# KiCad board eurocard mux.kicad_pcb (continued)
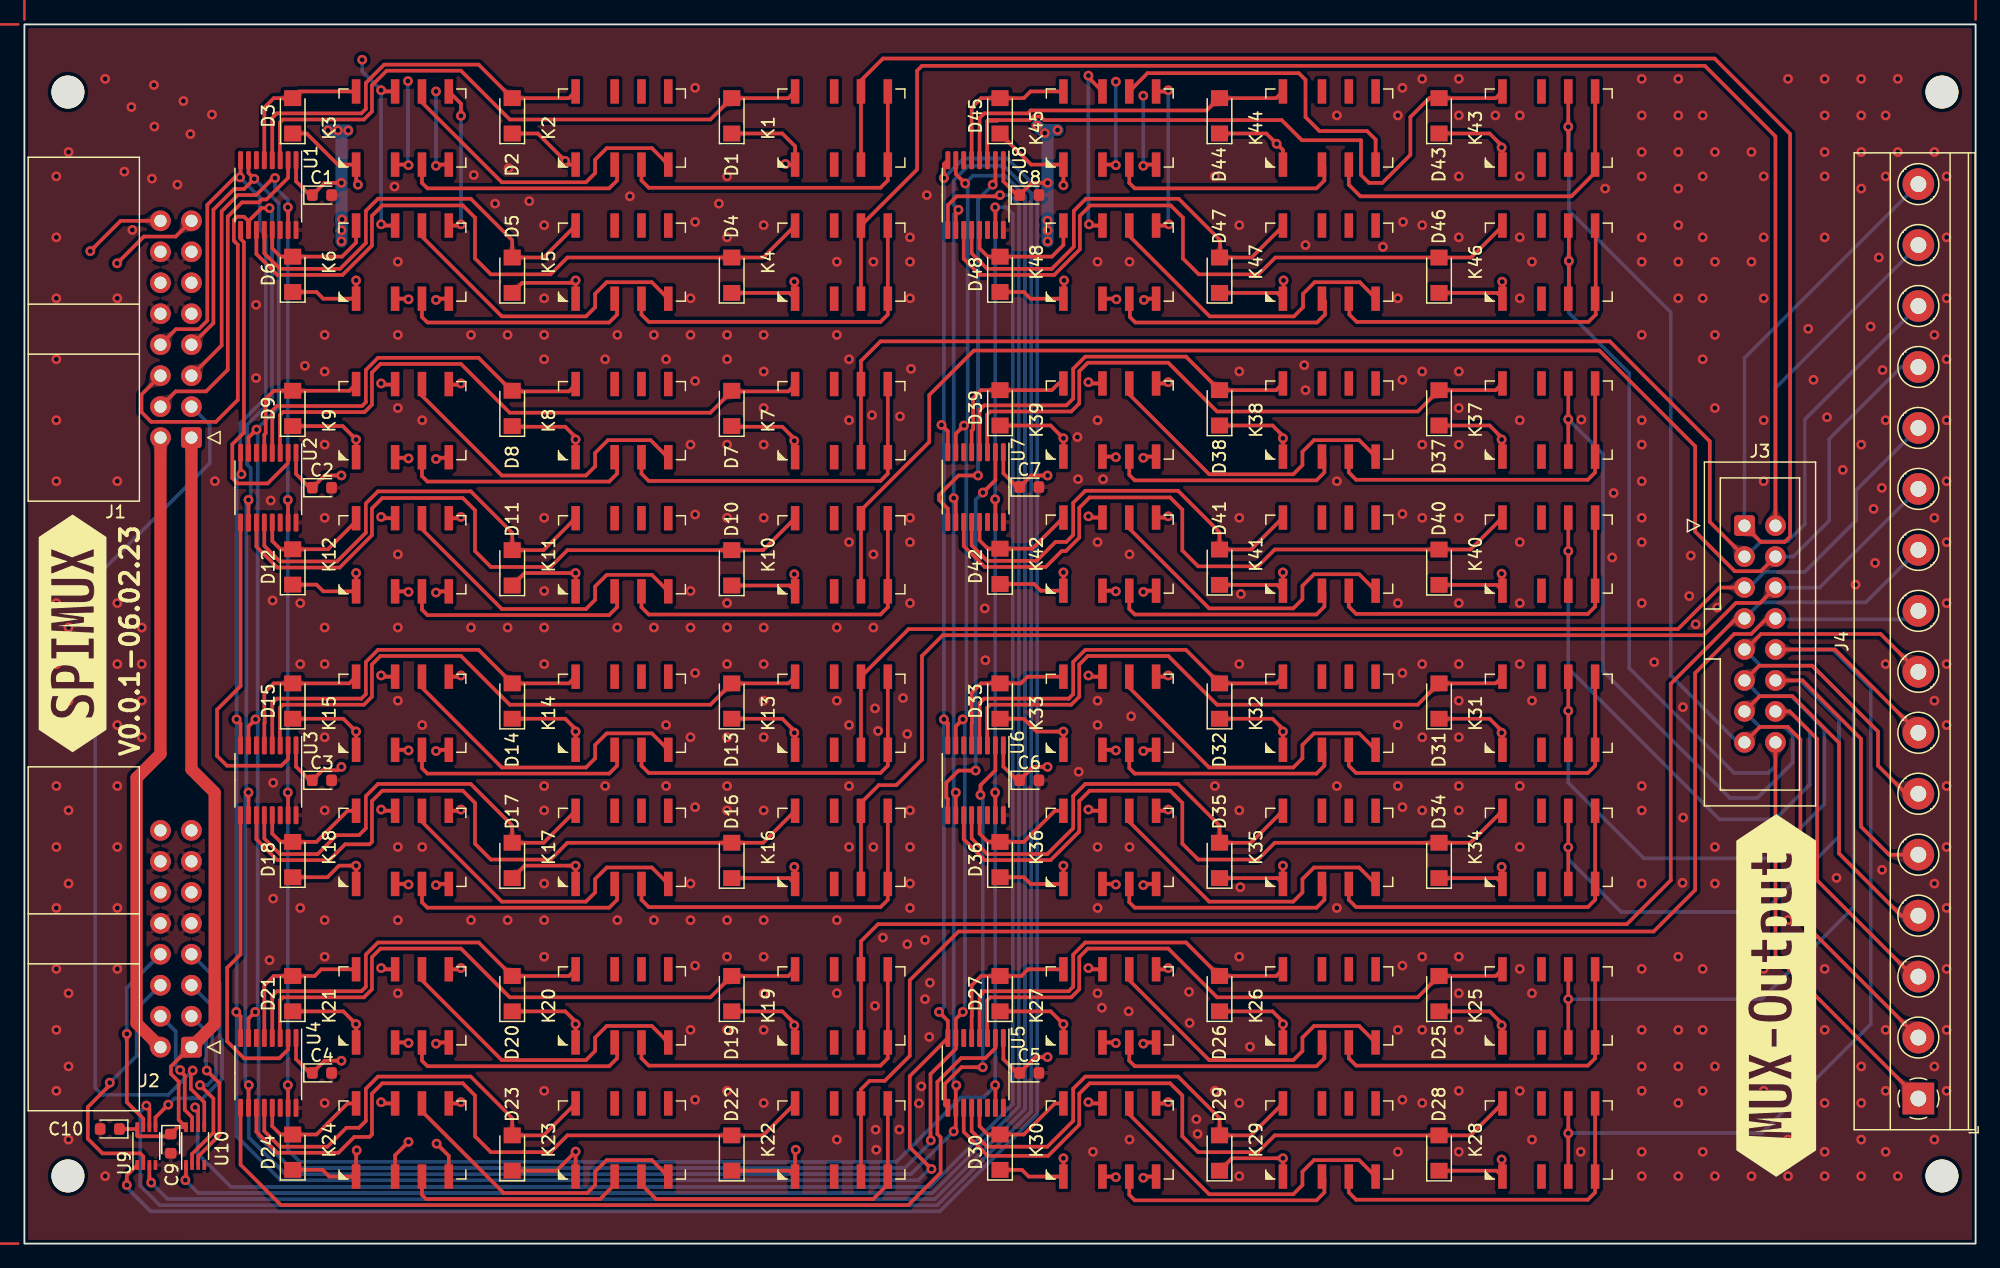
[diagram p0: board, top side]
## Copper pours and planes (outline as drawn; the poured copper is in the pictures) (continued)
/Relay_group8/Relays1/on/off on Top: 117.29,94.1 117.14,94.11 117.02,94.13 116.91,94.15 116.82,94.19 116.74,94.24 116.67,94.29 116.59,94.35 116.5,94.41 116.4,94.47 116.28,94.53 115.68,93.95 116.28,93.37 116.4,93.43 116.5,93.49 116.59,93.55 116.67,93.61 116.74,93.66 116.82,93.71 116.91,93.75 117.02,93.77 117.14,93.79 117.29,93.8
/Relay_group8/Relays1/on/off on Top: 114.95,93.49 115.03,93.56 115.11,93.6 115.18,93.61 115.25,93.61 115.32,93.59 115.4,93.55 115.47,93.51 115.55,93.46 115.63,93.41 115.72,93.37 116.32,93.95 115.54,94.41 115.45,94.32 115.37,94.25 115.29,94.18 115.09,94.02 115.02,93.96 114.94,93.89 114.85,93.81 114.74,93.7
/Relay_group8/Relays2/ai/pow on Top: 97.9,82.17 97.89,82.02 97.87,81.9 97.84,81.8 97.81,81.71 97.76,81.64 97.7,81.56 97.58,81.41 97.51,81.32 97.44,81.21 97.97,80.55 98.61,81.12 98.55,81.24 98.49,81.35 98.44,81.44 98.39,81.52 98.34,81.6 98.29,81.69 98.25,81.78 98.22,81.89 98.21,82.01 98.2,82.17
/Relay_group8/Relays2/ai/pow on Top: 99.3,81.03 99.15,81.04 99.02,81.05 98.92,81.08 98.83,81.12 98.75,81.17 98.67,81.22 98.59,81.28 98.5,81.34 98.4,81.4 98.28,81.46 97.68,80.88 98.28,80.29 98.4,80.36 98.5,80.42 98.59,80.48 98.67,80.54 98.75,80.59 98.83,80.64 98.92,80.67 99.02,80.7 99.15,80.72 99.3,80.73
/Relay_group8/Relays2/in/out on Top: 81.29,81.1 81.14,81.11 81.02,81.13 80.91,81.15 80.82,81.19 80.74,81.24 80.67,81.29 80.59,81.35 80.5,81.41 80.4,81.47 80.28,81.53 79.68,80.95 80.28,80.36 80.4,80.43 80.5,80.49 80.59,80.55 80.67,80.61 80.74,80.66 80.82,80.71 80.91,80.75 81.02,80.77 81.14,80.79 81.29,80.8
/Relay_group8/Relays2/in/out on Top: 78.68,81.06 78.79,80.96 78.88,80.89 78.97,80.83 79.05,80.79 79.21,80.72 79.28,80.68 79.36,80.64 79.45,80.57 79.54,80.49 80.32,80.95 79.72,81.53 79.62,81.48 79.53,81.41 79.37,81.28 79.29,81.23 79.22,81.18 79.14,81.16 79.06,81.16 78.98,81.2 78.89,81.27
analog_n on Top: 9.47,83.74 9.67,83.73 9.83,83.7 9.96,83.66 10.08,83.6 10.18,83.54 10.28,83.46 10.39,83.38 10.5,83.3 10.63,83.21 10.79,83.12 11.58,83.89 10.79,84.66 10.63,84.57 10.5,84.48 10.39,84.4 10.28,84.32 10.18,84.24 10.08,84.18 9.96,84.12 9.83,84.08 9.67,84.05 9.47,84.04
analog_n on In2.Cu: 9.76,84.88 9.9,84.72 10,84.58 10.08,84.45 10.13,84.32 10.17,84.2 10.23,83.94 10.27,83.8 10.33,83.65 10.41,83.48 11.5,83.64 11.3,84.73 11.13,84.75 10.98,84.76 10.84,84.76 10.71,84.76 10.59,84.77 10.48,84.78 10.36,84.82 10.24,84.88 10.11,84.97 9.97,85.09
analog_n on In2.Cu: 11.01,35.58 11,35.38 10.97,35.22 10.93,35.08 10.87,34.97 10.8,34.86 10.73,34.76 10.65,34.66 10.56,34.55 10.48,34.42 10.39,34.26 11.16,33.47 11.92,34.26 11.84,34.42 11.75,34.55 11.67,34.66 11.59,34.76 11.51,34.86 11.44,34.97 11.39,35.08 11.34,35.22 11.32,35.38 11.31,35.58
analog_p on Top: 12.61,82.59 12.76,82.72 12.89,82.82 13.02,82.88 13.14,82.93 13.26,82.95 13.38,82.97 13.51,82.98 13.65,83 13.81,83.04 13.98,83.09 14,84.19 12.89,84.17 12.84,84 12.81,83.84 12.79,83.7 12.78,83.57 12.76,83.45 12.73,83.33 12.69,83.21 12.63,83.08 12.53,82.95 12.4,82.8
analog_p on In2.Cu: 13.55,35.58 13.54,35.38 13.51,35.22 13.47,35.08 13.41,34.97 13.34,34.86 13.27,34.76 13.19,34.66 13.1,34.55 13.02,34.42 12.93,34.26 13.7,33.47 14.46,34.26 14.38,34.42 14.29,34.55 14.21,34.66 14.13,34.76 14.05,34.86 13.98,34.97 13.93,35.08 13.88,35.22 13.86,35.38 13.85,35.58
analog_p on In2.Cu: 12.4,84.98 12.53,84.83 12.63,84.7 12.69,84.57 12.73,84.45 12.76,84.33 12.78,84.21 12.79,84.08 12.81,83.94 12.84,83.78 12.89,83.61 14,83.59 13.98,84.69 13.81,84.74 13.65,84.78 13.51,84.8 13.38,84.81 13.26,84.83 13.14,84.85 13.02,84.9 12.89,84.96 12.76,85.06 12.61,85.19
CH_1 on Top: 142.35,57.8 142.22,57.95 142.12,58.08 142.05,58.21 142.01,58.33 141.99,58.45 141.97,58.57 141.95,58.7 141.93,58.84 141.9,59 141.85,59.17 140.75,59.19 140.77,58.09 140.94,58.04 141.09,58 141.23,57.98 141.36,57.97 141.49,57.95 141.61,57.93 141.73,57.88 141.85,57.82 141.99,57.72 142.14,57.59
CH_1 on Bottom: 140.9,60.58 140.89,60.38 140.86,60.22 140.82,60.08 140.76,59.97 140.69,59.86 140.62,59.76 140.54,59.66 140.45,59.55 140.37,59.42 140.28,59.26 141.05,58.47 141.81,59.26 141.73,59.42 141.64,59.55 141.56,59.66 141.48,59.76 141.4,59.86 141.33,59.97 141.28,60.08 141.23,60.22 141.21,60.38 141.2,60.58
CH_1 on Bottom: 153.58,84.96 153.81,85.17 154.02,85.31 154.22,85.41 154.41,85.46 154.6,85.49 154.79,85.51 155,85.52 155.22,85.55 155.46,85.59 155.73,85.67 155.76,87.36 154.08,87.33 154,87.06 153.95,86.82 153.93,86.59 153.92,86.39 153.9,86.2 153.87,86 153.81,85.81 153.72,85.61 153.57,85.4 153.37,85.17
CH_2 on Top: 143.44,60.58 143.43,60.38 143.4,60.22 143.36,60.08 143.3,59.97 143.23,59.86 143.16,59.76 143.08,59.66 142.99,59.55 142.91,59.42 142.82,59.26 143.59,58.47 144.35,59.26 144.27,59.42 144.18,59.55 144.1,59.66 144.02,59.76 143.94,59.86 143.87,59.97 143.82,60.08 143.77,60.22 143.75,60.38 143.74,60.58
CH_2 on Bottom: 153.58,79.96 153.81,80.17 154.02,80.31 154.22,80.41 154.41,80.46 154.6,80.49 154.79,80.51 155,80.52 155.22,80.55 155.46,80.59 155.73,80.67 155.76,82.36 154.08,82.33 154,82.06 153.95,81.82 153.93,81.59 153.92,81.39 153.9,81.2 153.87,81 153.81,80.81 153.72,80.61 153.57,80.4 153.37,80.17
CH_2 on Bottom: 143.44,60.58 143.43,60.38 143.4,60.22 143.36,60.08 143.3,59.97 143.23,59.86 143.16,59.76 143.08,59.66 142.99,59.55 142.91,59.42 142.82,59.26 143.59,58.47 144.35,59.26 144.27,59.42 144.18,59.55 144.1,59.66 144.02,59.76 143.94,59.86 143.87,59.97 143.82,60.08 143.77,60.22 143.75,60.38 143.74,60.58
CH_3 on Top: 139.75,57.44 139.88,57.29 139.98,57.16 140.04,57.03 140.08,56.91 140.11,56.79 140.13,56.67 140.14,56.54 140.16,56.4 140.19,56.24 140.24,56.07 141.35,56.05 141.33,57.15 141.16,57.2 141,57.24 140.86,57.26 140.73,57.27 140.61,57.29 140.49,57.31 140.37,57.36 140.24,57.42 140.11,57.52 139.96,57.65
CH_3 on Bottom: 142.2,57.61 142.05,57.48 141.92,57.38 141.8,57.32 141.68,57.28 141.56,57.26 141.43,57.25 141.3,57.24 141.16,57.23 141.01,57.21 140.84,57.17 140.72,56.08 141.82,56 141.89,56.18 141.94,56.33 141.97,56.47 141.99,56.6 142.02,56.73 142.05,56.85 142.1,56.97 142.17,57.1 142.27,57.24 142.41,57.4
CH_3 on Bottom: 153.57,74.96 153.8,75.17 154.02,75.31 154.21,75.41 154.41,75.46 154.6,75.49 154.79,75.51 155,75.52 155.22,75.55 155.46,75.59 155.73,75.67 155.77,77.36 154.08,77.33 154,77.06 153.95,76.82 153.93,76.6 153.91,76.39 153.9,76.2 153.87,76.01 153.81,75.81 153.71,75.62 153.57,75.4 153.36,75.17
CH_4 on Top: 142.38,55 142.56,55.01 142.7,55.05 142.82,55.11 142.92,55.18 143.02,55.25 143.1,55.32 143.2,55.39 143.31,55.45 143.43,55.49 143.59,55.5 143.89,56.65 142.78,56.63 142.74,56.45 142.73,56.27 142.74,56.09 142.76,55.91 142.77,55.75 142.77,55.6 142.74,55.48 142.67,55.38 142.56,55.32 142.38,55.3
CH_4 on Bottom: 153.16,70.95 153.32,71.09 153.48,71.17 153.63,71.21 153.78,71.2 153.92,71.17 154.07,71.1 154.22,71.02 154.38,70.93 154.55,70.83 154.74,70.73 155.96,71.9 154.39,72.82 154.2,72.63 154.05,72.46 153.92,72.3 153.81,72.16 153.59,71.88 153.47,71.73 153.33,71.57 153.16,71.38 152.95,71.16
CH_4 on Bottom: 145.11,56.62 144.99,56.52 144.87,56.48 144.76,56.49 144.66,56.54 144.55,56.61 144.45,56.71 144.34,56.82 144.23,56.93 144.1,57.03 143.96,57.11 143.16,56.35 144.19,55.75 144.31,55.85 144.42,55.93 144.53,55.98 144.63,56.02 144.74,56.06 144.84,56.1 144.95,56.14 145.07,56.2 145.19,56.29 145.32,56.41
CH_5 on Top: 139.36,53.66 139.56,53.65 139.72,53.62 139.85,53.58 139.97,53.52 140.07,53.46 140.17,53.38 140.28,53.3 140.39,53.22 140.52,53.13 140.68,53.05 141.47,53.81 140.68,54.58 140.52,54.49 140.39,54.4 140.28,54.32 140.17,54.24 140.07,54.16 139.97,54.1 139.85,54.04 139.72,54 139.56,53.97 139.36,53.96
CH_5 on Bottom: 153.58,64.96 153.81,65.17 154.02,65.31 154.22,65.41 154.41,65.46 154.6,65.49 154.79,65.51 155,65.52 155.22,65.55 155.46,65.59 155.73,65.67 155.76,67.36 154.08,67.33 154,67.06 153.95,66.82 153.93,66.59 153.92,66.39 153.9,66.2 153.87,66 153.81,65.81 153.72,65.61 153.57,65.4 153.37,65.17
CH_5 on Bottom: 142.3,54.91 142.17,54.79 142.05,54.71 141.93,54.66 141.82,54.63 141.7,54.62 141.59,54.62 141.46,54.63 141.33,54.65 141.18,54.66 141.02,54.66 140.67,53.61 141.73,53.3 141.84,53.46 141.92,53.61 141.98,53.75 142.02,53.88 142.07,54 142.11,54.13 142.17,54.26 142.25,54.39 142.36,54.54 142.51,54.7
CH_6 on Top: 142.5,52.51 142.65,52.64 142.78,52.74 142.91,52.8 143.03,52.85 143.15,52.87 143.27,52.89 143.4,52.9 143.54,52.92 143.7,52.96 143.87,53.01 143.89,54.11 142.78,54.09 142.73,53.92 142.7,53.76 142.68,53.62 142.67,53.49 142.65,53.37 142.62,53.25 142.58,53.13 142.52,53 142.42,52.87 142.29,52.72
CH_6 on Bottom: 153.58,59.96 153.81,60.17 154.02,60.31 154.22,60.41 154.41,60.46 154.6,60.49 154.79,60.51 155,60.52 155.22,60.55 155.46,60.59 155.73,60.67 155.76,62.36 154.08,62.33 154,62.06 153.95,61.82 153.93,61.59 153.92,61.39 153.9,61.2 153.87,61 153.81,60.81 153.72,60.61 153.57,60.4 153.37,60.17
CH_6 on Bottom: 145.28,53.96 145.08,53.97 144.92,54 144.78,54.04 144.66,54.1 144.56,54.16 144.46,54.24 144.36,54.32 144.25,54.4 144.12,54.49 143.96,54.58 143.16,53.81 143.96,53.05 144.12,53.13 144.25,53.22 144.36,53.3 144.46,53.38 144.56,53.46 144.66,53.52 144.78,53.58 144.92,53.62 145.08,53.65 145.28,53.66
CH_7 on Top: 139.72,50.41 139.83,50.51 139.93,50.58 140.04,50.62 140.14,50.63 140.24,50.63 140.34,50.61 140.45,50.58 140.68,50.49 140.82,50.45 141.47,51.34 140.45,51.87 140.32,51.73 140.22,51.61 140.13,51.49 140.06,51.38 139.93,51.16 139.86,51.05 139.77,50.92 139.65,50.78 139.5,50.63
CH_7 on Bottom: 153.58,54.96 153.81,55.17 154.02,55.31 154.22,55.41 154.41,55.46 154.6,55.49 154.79,55.51 155,55.52 155.22,55.55 155.46,55.59 155.73,55.67 155.76,57.36 154.08,57.33 154,57.06 153.95,56.82 153.93,56.59 153.92,56.39 153.9,56.2 153.87,56 153.81,55.81 153.72,55.61 153.57,55.4 153.37,55.17
CH_7 on Bottom: 142.14,52.57 141.99,52.44 141.85,52.34 141.73,52.28 141.61,52.23 141.49,52.21 141.36,52.19 141.23,52.18 141.09,52.16 140.94,52.12 140.77,52.07 140.75,50.97 141.85,50.99 141.9,51.16 141.93,51.32 141.95,51.46 141.97,51.59 141.99,51.71 142.01,51.83 142.05,51.95 142.12,52.08 142.22,52.21 142.35,52.36
CH_8 on Top: 142.25,50.44 142.36,50.54 142.46,50.6 142.57,50.64 142.66,50.66 142.76,50.65 142.86,50.63 142.97,50.59 143.2,50.51 143.33,50.46 144.01,51.33 142.99,51.87 142.86,51.74 142.76,51.61 142.67,51.5 142.6,51.39 142.47,51.18 142.39,51.07 142.3,50.94 142.18,50.81 142.04,50.65
CH_8 on Bottom: 145.29,51.35 145.09,51.36 144.93,51.39 144.8,51.43 144.69,51.49 144.59,51.56 144.49,51.63 144.4,51.72 144.29,51.81 144.17,51.91 144.02,52 143.16,51.3 143.89,50.48 144.06,50.55 144.2,50.63 144.32,50.71 144.43,50.78 144.54,50.85 144.65,50.92 144.77,50.97 144.91,51.01 145.08,51.04 145.29,51.05
CH_8 on Bottom: 152.91,51.05 153.24,51.04 153.52,51 153.76,50.95 153.97,50.89 154.16,50.83 154.34,50.76 154.54,50.7 154.76,50.65 155.01,50.61 155.31,50.6 155.85,52.25 154.2,52.58 154.09,52.38 153.99,52.2 153.9,52.02 153.82,51.86 153.73,51.71 153.63,51.59 153.5,51.49 153.34,51.41 153.15,51.37 152.91,51.35
CH_9 on Top: 153.37,48.63 153.57,48.4 153.72,48.19 153.81,47.99 153.87,47.8 153.9,47.6 153.92,47.41 153.93,47.21 153.95,46.98 154,46.74 154.08,46.47 155.76,46.44 155.73,48.13 155.46,48.21 155.22,48.25 155,48.28 154.79,48.29 154.6,48.31 154.41,48.34 154.22,48.39 154.02,48.49 153.81,48.63 153.58,48.84
CH_9 on Top: 142.18,50 142.04,49.86 141.91,49.77 141.78,49.71 141.66,49.67 141.54,49.65 141.42,49.63 141.29,49.62 141.15,49.61 141,49.59 140.82,49.55 140.73,48.45 141.83,48.4 141.89,48.57 141.94,48.72 141.97,48.86 141.99,48.99 142.01,49.12 142.04,49.24 142.09,49.36 142.16,49.49 142.26,49.63 142.4,49.78
CH_9 on Bottom: 142.35,47.64 142.22,47.79 142.12,47.92 142.05,48.05 142.01,48.17 141.99,48.29 141.97,48.41 141.95,48.54 141.93,48.68 141.9,48.84 141.85,49.01 140.75,49.03 140.77,47.93 140.94,47.88 141.09,47.84 141.23,47.82 141.36,47.81 141.49,47.79 141.61,47.77 141.73,47.72 141.85,47.66 141.99,47.56 142.14,47.43
CH_10 on Top: 153.37,43.63 153.57,43.4 153.72,43.19 153.81,42.99 153.87,42.8 153.9,42.6 153.92,42.41 153.93,42.21 153.95,41.98 154,41.74 154.08,41.47 155.76,41.44 155.73,43.13 155.46,43.21 155.22,43.25 155,43.28 154.79,43.29 154.6,43.31 154.41,43.34 154.22,43.39 154.02,43.49 153.81,43.63 153.58,43.84
CH_10 on Top: 145.28,48.88 145.08,48.89 144.92,48.92 144.78,48.96 144.66,49.02 144.56,49.08 144.46,49.16 144.36,49.24 144.25,49.32 144.12,49.41 143.96,49.5 143.16,48.73 143.96,47.97 144.12,48.05 144.25,48.14 144.36,48.22 144.46,48.3 144.56,48.38 144.66,48.44 144.78,48.5 144.92,48.54 145.08,48.57 145.28,48.58
CH_10 on Bottom: 145.28,48.88 145.08,48.89 144.92,48.92 144.78,48.96 144.66,49.02 144.56,49.08 144.46,49.16 144.36,49.24 144.25,49.32 144.12,49.41 143.96,49.5 143.16,48.73 143.96,47.97 144.12,48.05 144.25,48.14 144.36,48.22 144.46,48.3 144.56,48.38 144.66,48.44 144.78,48.5 144.92,48.54 145.08,48.57 145.28,48.58
CH_11 on Top: 153.01,37.98 153.23,37.74 153.41,37.52 153.54,37.31 153.64,37.13 153.73,36.94 153.82,36.77 153.91,36.59 154.03,36.4 154.19,36.2 154.39,35.98 155.94,36.77 154.99,38.16 154.77,38.1 154.57,38.03 154.39,37.97 154.22,37.91 154.05,37.87 153.89,37.86 153.73,37.87 153.57,37.93 153.4,38.04 153.22,38.19
CH_11 on Top: 142.14,47.49 141.99,47.36 141.85,47.26 141.73,47.2 141.61,47.15 141.49,47.13 141.36,47.11 141.23,47.1 141.09,47.08 140.94,47.04 140.77,46.99 140.75,45.89 141.85,45.91 141.9,46.08 141.93,46.24 141.95,46.38 141.97,46.51 141.99,46.63 142.01,46.75 142.05,46.87 142.12,47 142.22,47.13 142.35,47.28
CH_11 on Bottom: 142.35,45.1 142.22,45.25 142.12,45.38 142.05,45.51 142.01,45.63 141.99,45.75 141.97,45.87 141.95,46 141.93,46.14 141.9,46.3 141.85,46.47 140.75,46.49 140.77,45.39 140.94,45.34 141.09,45.3 141.23,45.28 141.36,45.27 141.49,45.25 141.61,45.23 141.73,45.18 141.85,45.12 141.99,45.02 142.14,44.89
CH_12 on Top: 145.28,46.34 145.08,46.35 144.92,46.38 144.78,46.42 144.66,46.48 144.56,46.54 144.46,46.62 144.36,46.7 144.25,46.78 144.12,46.87 143.96,46.95 143.16,46.19 143.96,45.42 144.12,45.51 144.25,45.6 144.36,45.68 144.46,45.76 144.56,45.84 144.66,45.9 144.78,45.96 144.92,46 145.08,46.03 145.28,46.04
CH_12 on Top: 152.66,31.93 152.86,31.75 153.04,31.62 153.22,31.54 153.39,31.47 153.55,31.43 153.71,31.38 153.87,31.33 154.04,31.25 154.21,31.14 154.39,30.98 155.96,31.9 154.74,33.07 154.5,32.93 154.29,32.75 154.11,32.55 153.93,32.36 153.77,32.18 153.61,32.03 153.44,31.94 153.27,31.92 153.08,31.98 152.87,32.14
CH_12 on Bottom: 145.28,46.34 145.08,46.35 144.92,46.38 144.78,46.42 144.66,46.48 144.56,46.54 144.46,46.62 144.36,46.7 144.25,46.78 144.12,46.87 143.96,46.95 143.16,46.19 143.96,45.42 144.12,45.51 144.25,45.6 144.36,45.68 144.46,45.76 144.56,45.84 144.66,45.9 144.78,45.96 144.92,46 145.08,46.03 145.28,46.04
CH_13 on Top: 142.14,44.95 141.99,44.82 141.85,44.72 141.73,44.66 141.61,44.61 141.49,44.59 141.36,44.57 141.23,44.56 141.09,44.54 140.94,44.5 140.77,44.45 140.75,43.35 141.85,43.37 141.9,43.54 141.93,43.7 141.95,43.84 141.97,43.97 141.99,44.09 142.01,44.21 142.05,44.33 142.12,44.46 142.22,44.59 142.35,44.74
CH_13 on Top: 152.95,27.64 153.16,27.42 153.33,27.23 153.47,27.07 153.59,26.92 153.81,26.64 153.92,26.5 154.05,26.34 154.2,26.17 154.39,25.98 155.96,26.9 154.74,28.07 154.55,27.97 154.38,27.87 154.22,27.78 154.07,27.7 153.92,27.63 153.78,27.6 153.63,27.59 153.48,27.63 153.32,27.71 153.16,27.85
CH_13 on Bottom: 142.35,42.56 142.22,42.71 142.12,42.84 142.05,42.97 142.01,43.09 141.99,43.21 141.97,43.33 141.95,43.46 141.93,43.6 141.9,43.76 141.85,43.93 140.75,43.95 140.77,42.85 140.94,42.8 141.09,42.76 141.23,42.74 141.36,42.73 141.49,42.71 141.61,42.69 141.73,42.64 141.85,42.58 141.99,42.48 142.14,42.35
CH_14 on Top: 153.17,23.41 153.4,23.17 153.56,22.94 153.67,22.73 153.74,22.53 153.8,22.34 153.84,22.14 153.89,21.93 153.96,21.71 154.06,21.48 154.2,21.21 155.85,21.55 155.45,23.19 155.19,23.21 154.95,23.21 154.74,23.19 154.54,23.18 154.35,23.17 154.17,23.18 153.99,23.22 153.8,23.3 153.6,23.43 153.39,23.63
CH_14 on Top: 145.24,43.38 145.1,43.51 144.98,43.61 144.88,43.7 144.78,43.77 144.6,43.9 144.51,43.97 144.41,44.04 144.31,44.14 144.19,44.25 143.16,43.65 143.96,42.89 144.08,42.95 144.2,43.03 144.41,43.19 144.51,43.25 144.61,43.29 144.7,43.32 144.81,43.3 144.91,43.26 145.02,43.16
CH_14 on Bottom: 145.24,43.38 145.1,43.51 144.98,43.61 144.88,43.7 144.78,43.77 144.6,43.9 144.51,43.97 144.41,44.04 144.31,44.14 144.19,44.25 143.16,43.65 143.96,42.89 144.08,42.95 144.2,43.03 144.41,43.19 144.51,43.25 144.61,43.29 144.7,43.32 144.81,43.3 144.91,43.26 145.02,43.16
CH_15 on Top: 142.14,42.41 141.99,42.28 141.85,42.18 141.73,42.12 141.61,42.07 141.49,42.05 141.36,42.03 141.23,42.02 141.09,42 140.94,41.96 140.77,41.91 140.75,40.81 141.85,40.83 141.9,41 141.93,41.16 141.95,41.3 141.97,41.43 141.99,41.55 142.01,41.67 142.05,41.79 142.12,41.92 142.22,42.05 142.35,42.2
CH_15 on Top: 153.37,18.63 153.57,18.4 153.72,18.19 153.81,17.99 153.87,17.8 153.9,17.6 153.92,17.41 153.93,17.21 153.95,16.98 154,16.74 154.08,16.47 155.76,16.44 155.73,18.13 155.46,18.21 155.22,18.25 155,18.28 154.79,18.29 154.6,18.31 154.41,18.34 154.22,18.39 154.02,18.49 153.81,18.63 153.58,18.84
CH_15 on Bottom: 139.53,41.86 139.68,41.7 139.8,41.55 139.89,41.41 139.95,41.28 140.01,41.16 140.07,41.04 140.13,40.92 140.21,40.79 140.31,40.65 140.45,40.51 141.45,40.98 140.92,41.95 140.78,41.92 140.64,41.89 140.52,41.86 140.4,41.84 140.3,41.82 140.19,41.83 140.08,41.85 139.98,41.89 139.86,41.96 139.74,42.07
CH_16 on Top: 143.74,39.42 143.75,39.62 143.77,39.78 143.82,39.92 143.87,40.03 143.94,40.14 144.02,40.24 144.1,40.34 144.18,40.45 144.27,40.58 144.35,40.74 143.59,41.53 142.82,40.74 142.91,40.58 142.99,40.45 143.08,40.34 143.16,40.24 143.23,40.14 143.3,40.03 143.36,39.92 143.4,39.78 143.43,39.62 143.44,39.42
CH_16 on Top: 153.37,13.63 153.57,13.4 153.72,13.19 153.81,12.99 153.87,12.8 153.9,12.6 153.92,12.41 153.93,12.21 153.95,11.98 154,11.74 154.08,11.47 155.76,11.44 155.73,13.13 155.46,13.21 155.22,13.25 155,13.28 154.79,13.29 154.6,13.31 154.41,13.34 154.22,13.39 154.02,13.49 153.81,13.63 153.58,13.84
CH_16 on Bottom: 143.74,39.42 143.75,39.62 143.77,39.78 143.82,39.92 143.87,40.03 143.94,40.14 144.02,40.24 144.1,40.34 144.18,40.45 144.27,40.58 144.35,40.74 143.59,41.53 142.82,40.74 142.91,40.58 142.99,40.45 143.08,40.34 143.16,40.24 143.23,40.14 143.3,40.03 143.36,39.92 143.4,39.78 143.43,39.62 143.44,39.42
device_enable on Top: 12.25,75.03 12.1,74.9 11.96,74.8 11.84,74.74 11.72,74.69 11.6,74.67 11.47,74.65 11.34,74.64 11.2,74.62 11.05,74.58 10.88,74.53 10.86,73.43 11.96,73.45 12.01,73.62 12.04,73.78 12.06,73.92 12.08,74.05 12.1,74.17 12.12,74.29 12.16,74.41 12.23,74.54 12.33,74.67 12.46,74.82
Earth on Top, Bottom, In1.Cu, In2.Cu: 146,0 13,0 13,100 146,100
Earth on Top, Bottom, In1.Cu, In2.Cu: 160,0 0,0 0,100 160,100
output_n on In2.Cu: 10.07,77.51 10.22,77.64 10.35,77.74 10.48,77.8 10.6,77.85 10.72,77.87 10.84,77.89 10.97,77.9 11.11,77.92 11.27,77.96 11.44,78.01 11.46,79.11 10.35,79.09 10.3,78.92 10.27,78.76 10.25,78.62 10.24,78.49 10.22,78.37 10.19,78.25 10.15,78.13 10.09,78 9.99,77.87 9.86,77.72
output_n on In2.Cu: 12.25,30.11 12.1,29.98 11.96,29.88 11.84,29.82 11.72,29.77 11.6,29.75 11.47,29.73 11.34,29.72 11.2,29.7 11.05,29.66 10.88,29.61 10.86,28.51 11.96,28.53 12.01,28.7 12.04,28.86 12.06,29 12.08,29.13 12.1,29.25 12.12,29.37 12.16,29.49 12.23,29.62 12.33,29.75 12.46,29.9
output_n on In2.Cu: 9.86,79.9 9.99,79.75 10.09,79.62 10.15,79.49 10.19,79.37 10.22,79.25 10.24,79.13 10.25,79 10.27,78.86 10.3,78.7 10.35,78.53 11.46,78.51 11.44,79.61 11.27,79.66 11.11,79.7 10.97,79.72 10.84,79.73 10.72,79.75 10.6,79.77 10.48,79.82 10.35,79.88 10.22,79.98 10.07,80.11
output_p on In2.Cu: 14.79,80.11 14.64,79.98 14.5,79.88 14.38,79.82 14.26,79.77 14.14,79.75 14.01,79.73 13.88,79.72 13.74,79.7 13.59,79.66 13.42,79.61 13.4,78.51 14.5,78.53 14.55,78.7 14.58,78.86 14.6,79 14.62,79.13 14.64,79.25 14.66,79.37 14.7,79.49 14.77,79.62 14.87,79.75 15,79.9
output_p on In2.Cu: 12.61,77.51 12.76,77.64 12.89,77.74 13.02,77.8 13.14,77.85 13.26,77.87 13.38,77.89 13.51,77.9 13.65,77.92 13.81,77.96 13.98,78.01 14,79.11 12.89,79.09 12.84,78.92 12.81,78.76 12.79,78.62 12.78,78.49 12.76,78.37 12.73,78.25 12.69,78.13 12.63,78 12.53,77.87 12.4,77.72
output_p on In2.Cu: 14.79,30.11 14.64,29.98 14.5,29.88 14.38,29.82 14.26,29.77 14.14,29.75 14.01,29.73 13.88,29.72 13.74,29.7 13.59,29.66 13.42,29.61 13.4,28.51 14.5,28.53 14.55,28.7 14.58,28.86 14.6,29 14.62,29.13 14.64,29.25 14.66,29.37 14.7,29.49 14.77,29.62 14.87,29.75 15,29.9
serial_clock on Top: 14.79,72.49 14.64,72.36 14.5,72.26 14.38,72.2 14.26,72.15 14.14,72.13 14.01,72.11 13.88,72.1 13.74,72.08 13.59,72.04 13.42,71.99 13.4,70.89 14.5,70.91 14.55,71.08 14.58,71.24 14.6,71.38 14.62,71.51 14.64,71.63 14.66,71.75 14.7,71.87 14.77,72 14.87,72.13 15,72.28
serial_in on Top: 12.25,69.95 12.1,69.82 11.96,69.72 11.84,69.66 11.72,69.61 11.6,69.59 11.47,69.57 11.34,69.56 11.2,69.54 11.05,69.5 10.88,69.45 10.86,68.35 11.96,68.37 12.01,68.54 12.04,68.7 12.06,68.84 12.08,68.97 12.1,69.09 12.12,69.21 12.16,69.33 12.23,69.46 12.33,69.59 12.46,69.74
serial_return on Bottom: 15,67.56 14.87,67.71 14.77,67.84 14.7,67.97 14.66,68.09 14.64,68.21 14.62,68.33 14.6,68.46 14.58,68.6 14.55,68.76 14.5,68.93 13.4,68.95 13.42,67.85 13.59,67.8 13.74,67.76 13.88,67.74 14.01,67.73 14.14,67.71 14.26,67.69 14.38,67.64 14.5,67.58 14.64,67.48 14.79,67.35
synchronous_clear on Top: 14.81,75.02 14.66,74.89 14.53,74.79 14.4,74.73 14.28,74.69 14.16,74.66 14.04,74.65 13.91,74.63 13.77,74.62 13.61,74.59 13.44,74.54 13.39,73.44 14.49,73.43 14.55,73.6 14.59,73.76 14.61,73.9 14.63,74.03 14.65,74.15 14.68,74.27 14.72,74.4 14.79,74.53 14.89,74.66 15.02,74.81
transfer on Top: 10.07,69.89 10.22,70.02 10.35,70.12 10.48,70.18 10.6,70.23 10.72,70.25 10.84,70.27 10.97,70.28 11.11,70.3 11.27,70.34 11.44,70.39 11.46,71.49 10.35,71.47 10.3,71.3 10.27,71.14 10.25,71 10.24,70.87 10.22,70.75 10.19,70.63 10.15,70.51 10.09,70.38 9.99,70.25 9.86,70.1

Small or netless copper shapes (teardrops, artwork), in the pictures only: 716 on Top, 107 on Bottom, 29 on In2.Cu

## Text on the board
B.Silkscreen: 15 | 1 | 2 | 16
User.Comments: Mounting holes are optional / Keepout areas are for for guide rails
F.Fab: K3 | K6 | K9 | K12 | K15 | K18 | K21 | K24 | EE2-3NUH
F.Silkscreen: V0.0.1-06.02.23
